# Altium PCB BGA_ACUity.PcbDoc (part 4 of 6)
Units mm, origin at the board's own origin, x right, y up, seen from the top; angles counter-clockwise.
Board outline 100 x 100.02 mm, 4 copper layers (TopSignal, Ground, Power, BottomSignal), stack 1.564 mm thick; 445 components, 325 nets, 2065 pads, 376 vias.
Unrouted connection lines stored in the file: 419.
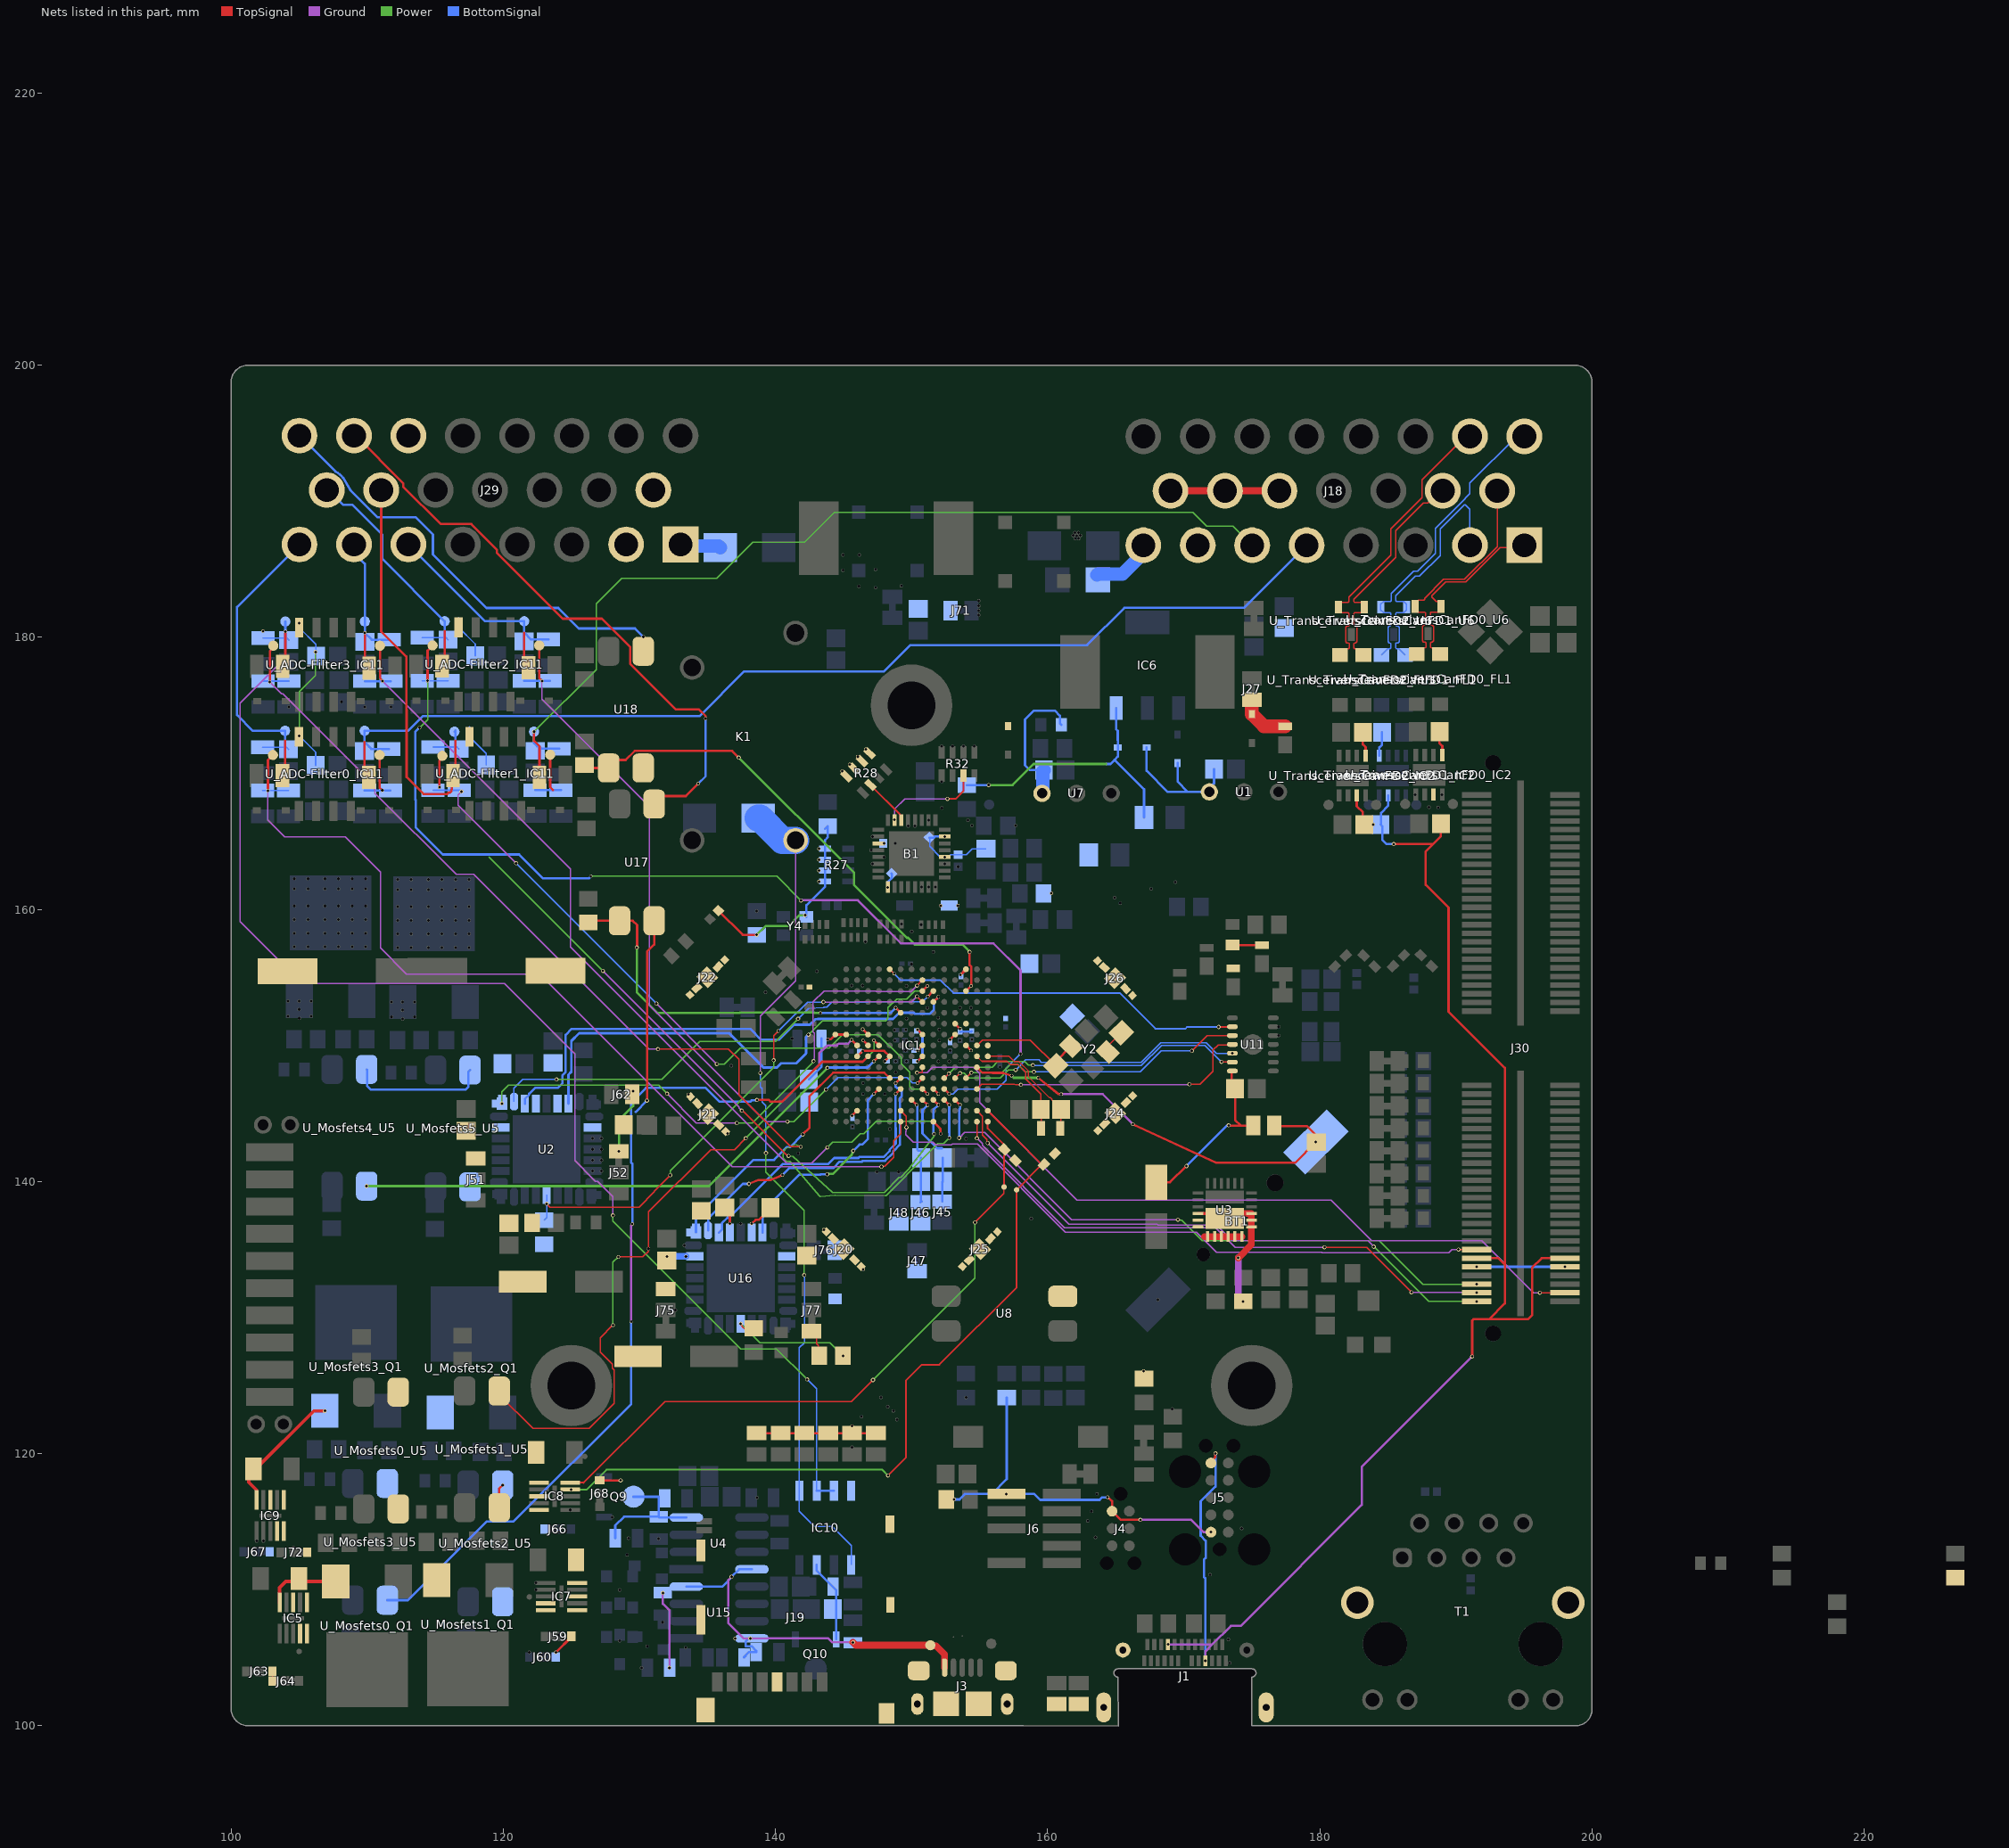
[diagram p6: the nets of this part, all layers, seen from the top]

## Via types
v1: diameter 0.3, hole 0.2, TopSignal to BottomSignal, tented both sides, 223 vias
v2: diameter 0.25/0.25/0.25/0.25 (per signal layer), hole 0.2, TopSignal to BottomSignal, tented both sides, 63 vias
v3: diameter 0.5, hole 0.2, TopSignal to BottomSignal, 32 vias
v4: diameter 0.5, hole 0.3, TopSignal to BottomSignal, 24 vias
v5: diameter 0.3, hole 0.2, TopSignal to BottomSignal, 15 vias
v6: diameter 0.3/0.3/0.3/0.3 (per signal layer), hole 0.2, TopSignal to BottomSignal, tented both sides, 11 vias
v7: diameter 0.6, hole 0.3, TopSignal to BottomSignal, 8 vias

## Nets (pads, with @x,y where several pads share a name; then routed paths per layer and width w, separated by ;. In a path a pad name is that pad's centre, name@x,y a point inside that pad or via, vN(x,y) a via of type N, cw(c..) or ccw(c..) an arc to the next point about the centre after c; other vN are vias at no path point) (continued)
+3V3: B1.4 B1.7 B1.19 B1.25 C8.2 C10.2 C12.2 C15.2 C16.2 C17.2 C18.2 C25.1 C31.2 C39.2 C41.2 C48.1 C49.2 C50.2 C51.2 C52.2 C53.2 C54.2 C55.2 C56.2 C58.2 C59.2 C60.2 C61.2 C62.2 C63.2 D9.1 D13.A D18.1 IC1.A13 IC1.F12 IC1.F13 IC1.G1 IC1.G2 IC1.G9 IC1.G12 IC1.H9 IC1.H13 IC1.J3 IC1.J6 IC1.J9 IC1.P3 IC6.3 J4.1 J5.1 J6.01 J18.7 J19.4 J30.09 J30.10 J37.1 J46.P0 J47.P0 J48.P0 J49.P0 J53.P1 J54.P1 J55.P1 J56.P1 J57.P1 J58.P1 pad.1@143.2,162.05 pad.1@143.2,162.85 pad.1@143.2,163.65 pad.1@143.2,164.45 pad.1@144.905,170.153 pad.1@145.473,170.661 pad.1@145.625,122.025 pad.1@145.632,144.832 pad.1@146.039,171.227 pad.1@146.642,171.781 pad.1@147.975,164.85 pad.1@148.249,161.619 pad.1@150.432,148.832 pad.1@150.432,149.632 pad.1@150.432,151.168 pad.1@152.45,163.85 pad.1@152.45,165.35 pad.1@152.155,160.274 pad.1@152.832,150.432 pad.1@153.405,160.274 pad.1@153.568,151.232 pad.1@154.368,149.632 pad.1@160.275,161.175 pad.1@164.411,116.793 pad.1@167.049,126.071 R1.2 R5.2 R6.2 R25.2 R26.2 R27.1 R27.2 R27.3 R27.4 R28.5 R28.6 R28.7 R28.8 R29.2 R30.2 R48.2 R49.1 U11.14 U_TransceiversCanFD0_C6.2 U_TransceiversCanFD0_IC2.5 U_TransceiversCanFD1_C6.2 U_TransceiversCanFD1_IC2.5 U_TransceiversCanFD2_C6.2 U_TransceiversCanFD2_IC2.5 Y4.4 | length 122.5
  TopSignal w0.171: C17.2@135.811,159.911 137.597,158.125 v1(138.625,158.125) ; J58.P1@138.625,121.5 J57.P1@140.375,121.5 J56.P1@142.125,121.5 J55.P1@143.875,121.5 J54.P1@145.625,121.5 J53.P1@147.375,121.5 ; v2(143.842,150.434) 143.857,150.45 144.05,150.45 IC1.G1@144.4,150.8 IC1.G2@145.2,150.8 ; pad.1@145.632,144.832 IC1.P3@146,145.2 ; IC1.J3@146,149.2 v2(146.4,149.6) 148,149.6 IC1.J6@148.4,149.2 v2(148.032,148.832) ; pad.1@150.432,148.832 IC1.J9@150.8,149.2 ; pad.1@150.432,149.632 IC1.H9@150.8,150 ; pad.1@150.432,151.168 IC1.G9@150.8,150.8 ; pad.1@152.832,150.432 IC1.G12@153.2,150.8 ; IC1.F12@153.2,151.6 pad.1@153.568,151.232 ; IC1.H13@154,150 pad.1@154.368,149.632 ; pad.1@164.411,116.793 164.534,116.696 164.73,116.5 J4.1@164.73,115.77 165.365,115.135 v1(166.816,115.135) ; C48.1@167.996,139.951 168.996,139.951 170.184,141.139 v1(170.199,141.139) v1@170.214,141.139 ; v1(173.304,144.122) 173.323,144.102 174.195,144.102 ; U11.14@173.575,148.125 173.525,148.075 173.525,147.075 C12.2@173.775,146.825 173.775,144.522 174.195,144.102 ; J49.P0@175.102,144.123 175.082,144.102 174.195,144.102 ; U_TransceiversCanFD2_C6.2@183.16,173.008 183.16,172.12 183.36,171.92 U_TransceiversCanFD2_IC2.5@183.36,171.283 ; U_TransceiversCanFD0_C6.2@188.795,173.068 188.795,172.206 188.995,172.006 U_TransceiversCanFD0_IC2.5@188.995,171.343
  TopSignal w0.191: v2(153.6,155.196) 153.6,155.198 154,155.598 IC1.A13@154,155.6
  Ground w0.171: v1(166.816,115.135) 170.541,115.135 171.396,114.28 ccw(c171.517,114.401) 171.517,114.23 v1(172,114.23)
  Power w0.171: v1(138.625,158.125) 139.275,158.775 140.955,158.775 141.75,159.57 v1(142.175,159.57) ; v1(155.666,169.14) 157.421,169.14 158.968,170.688 164.27,170.688
  BottomSignal w0.09: C25.1@151.314,165.284 151.328,165.27 151.328,164.629 152.108,163.85 pad.1@152.45,163.85 152.725,163.85 152.891,164.016 C15.2@153.416,164.016 154.016,164.016 154.45,164.45 C18.2@155.475,164.45
  BottomSignal w0.171: Y4.4@142.275,159.45 142.175,159.55 142.28,159.655 142.28,160.304 143.65,161.675 R27.1@143.65,162.05 R27.2@143.65,162.85 R27.3@143.65,163.65 R27.4@143.65,164.45 143.65,165.1 143.85,165.3 R26.2@143.85,166.125 R26.2@143.65,165.925 ; C39.2@142.456,147.498 143.39,148.432 C41.2@143.39,150.507 ; pad.1@148.249,161.619 148.249,162.014 148.547,162.312 148.547,162.616 C16.2@148.533,162.63 ; pad.1@150.432,148.832 150.803,149.203 150.803,150.797 pad.1@150.432,151.168 ; C25.1@151.328,165.27 151.632,165.27 151.711,165.35 pad.1@152.45,165.35 ; v1(153.116,116.637) 153.525,116.637 153.928,117.04 155.903,117.04 ; C50.2@153.568,150.988 153.6,151.02 154.4,151.02 C60.2@154.432,151.052 ; R30.2@154.05,169.125 154.065,169.14 v1(155.666,169.14) ; R6.2@156.993,124.125 156.993,118.13 155.903,117.04 ; 164.27,170.688 164.612,170.688 164.918,170.994 ; pad.1@164.411,116.793 164.011,116.793 163.822,116.604 159.453,116.604 159.018,117.04 v1(156.965,117.04) 155.903,117.04 ; IC6.3@165.035,174.794 165.035,173.238 165.148,173.125 165.148,172.424 165.163,172.41 D18.1@165.163,171.907 165.163,171.239 164.918,170.994 ; C31.2@167.081,166.751 167.081,168.831 164.918,170.994 ; v1(170.199,141.139) 173.157,144.097 173.279,144.097 v1(173.304,144.122) ; U_TransceiversCanFD1_IC2.5@184.366,171.284 184.366,171.897 184.566,172.097 U_TransceiversCanFD1_C6.2@184.566,173.009 ; v1(191.516,133.731) v1(197.993,133.731)
  BottomSignal w0.191: v2(153.6,155.196) 153.6,155.084 C62.2@153.632,155.052 ; C62.2@153.632,155.228 154,155.596 154,155.6
+3V3_LOGIC: IC5.6 IC7.6 IC8.6 IC9.6 J59.P2 J60.P0 J63.P2 J64.P2 J66.P0 J67.P0 J68.P2 J72.P0 pad.1@123.862,105.395 U8.4 U17.4 U18.4 | length 18.5
  TopSignal w0.09: J63.P2@103.049,104.003 103.053,103.999 J64.P2@103.053,103.293
  TopSignal w0.171: J68.P2@127.088,118.039 127.094,118.032 v1(128.624,118.032) ; v1(130.557,145.949) 130.571,145.963 130.571,156.888 131.089,157.407 U17.4@131.089,159.159
  TopSignal w0.191: pad.1@123.862,105.395 123.866,105.395 125,106.529 J59.P2@125,106.579
  BottomSignal w0.171: 129.722,145.114 v1(130.557,145.949)
+3V3_VBATT: BT1.2 C38.2 IC1.K14 J49.P1 pad.1@157.35,147.775 pad.1@159.304,147.62 pad.1@161,146.425 pad.1@166.265,144.212 pad.1@179.705,142.905 | length 31.6
  TopSignal w0.171: IC1.K14@154.8,148.4 155.2,148 155.934,148 155.947,147.987 156.68,147.987 156.756,147.979 pad.1@157.35,147.775 ; pad.1@159.304,147.62 160.8,146.425 pad.1@161,146.425 ; pad.1@166.265,144.212 172.362,141.377 178.177,141.377 pad.1@179.705,142.905 179.705,143.425 179.054,144.076 176.699,144.076 J49.P1@176.652,144.123
  Ground w0.171: pad.1@161,146.425 164.052,146.425 pad.1@166.265,144.212
  Power w0.171: pad.1@157.35,147.775 157.505,147.62 pad.1@159.304,147.62
+5_LOGIC: C57.2 D25.A J51.P2 J52.P0 J62.P0 J75.P2 J76.P0 J77.P0 R39.2 R57.1 R89.2 U7.3 U_Mosfets0_U5.4 U_Mosfets1_U5.4 U_Mosfets2_U5.4 U_Mosfets3_U5.4 U_Mosfets4_U5.4 U_Mosfets5_U5.4 | length 29.2
  TopSignal w0.09: J77.P0@142.65,129 143.01,128.64 143.01,128.089 143.153,127.947 143.153,127.245 R89.2@143.209,127.189
  TopSignal w0.171: U_Mosfets1_U5.4@119.706,116.027 119.706,117.442 v2(119.96,117.696)
  Power w0.171: v1(128.5,142.224) 128.5,144.496 129.55,145.546 v1(129.55,146.65)
  BottomSignal w0.171: U_Mosfets4_U5.4@109.967,148.241 110.009,148.198 110.009,147.015 110.277,146.748 117.23,146.748 117.445,146.963 117.445,148.067 U_Mosfets5_U5.4@117.562,148.184 ; C57.2@159.728,170.231 158.69,170.231 158.333,170.588 158.333,173.953 158.986,174.606 160.523,174.606 160.904,174.225 160.904,173.664 D25.A@160.999,173.569
  BottomSignal w1: U7.3@159.588,168.529 159.64,168.581 159.64,170.143 C57.2@159.728,170.231
+5V: C29.2 C33.2 D11.A D12.1 D18.2 IC10.8 J1.A4 J1.B4 J3.1 J5.5 J18.13 J18.14 J18.15 J30.11 J30.12 J39.1 pad.1@105.009,181.04 pad.1@137.036,106.419 Q9.2 R70.2 R71.1 R72.1 R74.2 R75.1 R76.1 R77.1 R80.1 TP4.P2 U1.3 U4.4 U4.8 U15.4 U15.8 U_ADC-Filter0_C81.2 U_ADC-Filter0_IC11.8 U_ADC-Filter1_C81.2 U_ADC-Filter1_IC11.8 U_ADC-Filter2_C81.2 U_ADC-Filter2_IC11.8 U_ADC-Filter3_C81.2 U_ADC-Filter3_IC11.8 U_TransceiversCanFD0_C7.2 U_TransceiversCanFD0_IC2.3 U_TransceiversCanFD1_C7.2 U_TransceiversCanFD1_IC2.3 U_TransceiversCanFD2_C7.2 U_TransceiversCanFD2_IC2.3 | length 201.8
  TopSignal w0.171: J5.5@172,119.31 172,119.412 172.306,119.718 172.306,119.99 v1(172.331,120.015) ; D11.A@173.584,157.39 173.612,157.362 J39.1@175.743,157.362 ; U_TransceiversCanFD2_IC2.3@182.71,168.383 182.71,167.578 183.155,167.133 183.155,166.338 U_TransceiversCanFD2_C7.2@183.26,166.233 ; v1(185.428,164.801) 188.314,164.801 ; U_TransceiversCanFD0_C7.2@188.895,166.293 188.895,165.382 188.314,164.801 ; v1(191.189,127.136) 191.189,129.774 191.289,129.874 192.423,129.874 ; J30.11@191.516,134.366 193.109,134.366 193.59,133.886 ; J30.12@197.993,134.366 196.292,134.366 195.594,133.669 195.594,130.178 195.29,129.874 192.423,129.874 ; 188.314,164.801 187.774,164.26 187.774,161.806 189.458,160.122 189.458,152.484 193.59,148.352 193.59,133.886 ; 192.423,129.874 193.59,131.04 193.59,133.886
  TopSignal w0.5: v1(145.694,106.127) 145.903,105.918 TP4.P2@151.384,105.918 151.432,105.87 151.795,105.87 152.427,105.239 J3.1@152.427,104.275 ; J18.15@169.028,190.762 J18.14@173.028,190.762 J18.13@177.028,190.762
  Ground w0.171: v1(131.724,109.759) 131.724,108.959 132.212,108.471 v1(132.212,104.26) ; v1(136.767,110.951) 136.536,110.721 136.536,107.541 137.659,106.419 v1(138.146,106.419) 143.879,106.419 144.171,106.127 v1(145.694,106.127) ; v1(168.838,105.976) 172.088,105.976 ; v1(171.588,104.776) 171.588,105.476 172.088,105.976 ; v1(191.189,127.136) 183.082,119.029 183.082,116.239 174.187,107.343 173.455,107.343 172.088,105.976
  Power w0.113: v1(105.019,172.753) 105.019,176.005 106.205,177.191 v1(106.205,178.921)
  BottomSignal w0.113: pad.1@105.009,181.04 105.009,180.706 106.241,179.474 U_ADC-Filter3_C81.2@106.241,178.921 ; v1(105.019,172.753) 106.217,171.554 U_ADC-Filter0_C81.2@106.217,170.585 ; v1(106.205,178.921) 106.205,178.652 U_ADC-Filter3_C81.2@106.241,178.616 ; 116.713,181.451 116.713,180.726 117.945,179.494 U_ADC-Filter2_C81.2@117.945,178.636 ; 117.514,173.417 117.514,172.692 118.746,171.46 U_ADC-Filter1_C81.2@118.746,170.602
  BottomSignal w0.171: R72.1@128.232,113.785 128.232,114.73 128.874,115.372 R70.2@131.412,115.372 ; Q9.2@129.57,116.833 131.413,116.833 131.412,116.832 R70.2@131.412,115.372 ; U15.4@133.444,110.229 136.078,110.229 136.767,110.918 v1(136.767,110.951) 136.783,110.951 137.331,111.499 U4.8@138.271,111.499 ; U4.4@133.444,115.309 131.475,115.309 R70.2@131.412,115.372 ; R75.1@137.823,105.147 R75.1@137.698,105.022 137.698,105.063 138.038,105.403 R74.2@138.588,105.403 138.588,105.507 138.249,105.847 137.823,105.847 137.823,106.21 138.032,106.419 v1(138.146,106.419) U15.8@138.271,106.419 ; D18.2@167.273,171.907 167.273,170.193 168.835,168.631 170.309,168.631 ; D12.1@169.545,170.751 169.545,169.394 170.309,168.631 ; v1(171.588,104.776) 171.588,110.722 171.575,110.736 171.575,110.849 171.485,110.938 171.485,112.197 171.618,112.329 171.618,113.592 171.243,113.967 171.243,116.498 172.331,117.586 v1(172.331,120.015) ; C29.2@172.225,170.307 172.225,169.271 171.882,168.928 U1.3@171.882,168.631 170.309,168.631 ; U_TransceiversCanFD1_IC2.3@185.016,168.384 185.016,167.611 184.495,167.09 184.495,166.263 U_TransceiversCanFD1_C7.2@184.466,166.234 184.589,166.111 184.589,165.115 184.903,164.801 v1(185.428,164.801)
  other v1: 183.91,166.233
+24V: C27.2 D19.1 J27.P0 J38.1 | length 3.9
  TopSignal w1: J27.P0@175,175.416 D19.1@175,174.342 175.886,173.457 J38.1@177.444,173.457
+24V_EASED_PWR: C28.2 J71.P0 R56.1 U3.1 U3.2 U3.3 U3.16 U3.25 | length 11.2
  TopSignal w0.25: U3.16@171.057,137.654 U3.25@172.636,137.654
  TopSignal w0.5: U3.25@172.636,137.654 U3.25@173.011,137.279 173.386,137.654 U3.3@174.964,137.654 U3.2@174.964,137.154 U3.1@174.964,136.654 174.964,135.344 v1(174.005,134.385)
  Ground w0.5: v1(174.005,134.385) 174.005,131.536 v1(174.359,131.182)
+24VBAT_LOGIC: F1.1 J18.8 | length 4.7
  BottomSignal w1: F1.1@163.62,184.582 163.684,184.646 165.495,184.646 166.717,185.869 166.717,186.451 J18.8@167.028,186.762
+24VBAT_PWR: D21.1 J29.1 J29.2 | length 3
  BottomSignal w1: J29.1@133.031,186.818 133.146,186.703 135.835,186.703 D21.1@135.95,186.588
+24VFUSED_PWR: C9.2 C70.2 C71.2 C72.2 C73.2 C74.1 C82.2 C83.2 C84.2 C85.2 C86.2 C87.1 C89.1 C90.1 D20.1 IC5.8 IC7.8 IC8.8 IC9.8 J29.9 pad.1@132.025,134.5 pad.1@133.425,134.5 pad.1@136.65,136.9 pad.1@138.25,136.9 U2.4 U2.6 U2.11 U2.31 U3.17 U3.18 U3.19 U3.20 U3.21 U3.22 U3.23 U3.24 U16.4 U16.6 U16.11 U16.31 | length 7.4
  TopSignal w0.171: C83.2@136.275,138.1 136.65,137.725 pad.1@136.65,136.9 ; pad.1@138.25,136.9 138.538,137.188 138.788,137.188 139.625,138.025 C85.2@139.625,138.075
  TopSignal w0.5: 171.541,135.95 U3.19@171.761,135.95 U3.20@172.261,135.95 U3.21@172.761,135.95 U3.22@173.261,135.95 U3.23@173.761,135.95 U3.24@174.261,135.95
  BottomSignal w0.5: pad.1@132.025,134.5 pad.1@133.425,134.5
_RXD2_7: B1.15 R32.7 | length 7.5
  TopSignal w0.131: v1(152.636,168.119) 153.244,168.119 153.816,168.691 R32.7@153.816,169.838
  Ground w0.113: v1(148.75,166.6) 148.762,166.611 148.762,167.373 149.508,168.119 v1(152.636,168.119)
_RXD3_7: B1.14 R28.2 | length 3.5
  TopSignal w0.131: R28.2@146.993,169.141 149.165,166.969 149.165,166.634 B1.14@149.25,166.55
ACT_CMOSIG0: IC1.H4 U_Mosfets0_U5.1 | length 0.5
  TopSignal w0.171: v2(146.431,150.368) IC1.H4@146.8,150
ACT_CMOSIG1: IC1.H5 pad.1@130.673,135.062 U_Mosfets1_U5.1 | length 50.3
  TopSignal w0.09: U_Mosfets1_U5.1@119.706,124.607 119.706,124.327 122.179,121.853 126.303,121.853 128.147,123.697 128.147,126.146 128.003,126.289 128.003,126.585 127.132,127.456 127.132,128.509 v2(128.066,129.444) ; v2(128.465,134.46) 130.258,134.46 130.673,134.874 pad.1@130.673,135.062 ; pad.1@130.673,135.062 130.673,137.773 135.244,142.344 136.987,142.344 v1(137.815,143.172)
  TopSignal w0.171: v2(147.232,150.368) IC1.H5@147.6,150
  Power w0.09: v2(128.066,129.444) 128.066,134.062 v2(128.465,134.46) ; v1(137.815,143.172) 143.443,148.8 146.4,148.8 147.232,149.632 v2(147.232,150.368)
ACT_CMOSIG2: IC1.H3 U_Mosfets2_U5.1 | length 4.8
  TopSignal w0.171: v2(145.6,150.4) IC1.H3@146,150
  Ground w0.171: 142.751,148.127 143.23,148.606 143.23,149.445 143.585,149.801 ; 143.586,149.801 143.794,149.963 143.841,149.999 144.52,149.999 144.65,150.129 145.33,150.129 v2(145.6,150.4)
ACT_CMOSIG3: IC1.J4 U_Mosfets3_U5.1 | length 65.9
  TopSignal w0.171: v1(138.639,145.992) 139.519,145.992 139.645,145.866 140.49,145.866 143.423,148.8 146.416,148.8 IC1.J4@146.8,149.2
  Ground w0.171: v2(129.4,129.692) 129.4,136.762 129.489,136.851 v2(129.489,136.886)
  BottomSignal w0.171: U_Mosfets3_U5.1@111.488,109.231 112.997,109.231 118.77,115.004 120.746,115.004 129.4,123.659 v2(129.4,129.692) ; v2(129.489,136.886) 129.489,141.307 129.39,141.405 129.39,145.79 130.483,146.883 134.877,146.883 135.894,145.866 138.148,145.866 138.248,145.967 138.614,145.967 v1(138.639,145.992)
ACT_CMOSIG4: IC1.J5 U_Mosfets4_U5.1 | length 41.6
  TopSignal w0.171: v2(147.232,148.832) IC1.J5@147.6,149.2
  Power w0.171: v1(109.967,139.661) 135.125,139.661 v1(143.819,148.355)
  BottomSignal w0.171: v1(143.819,148.355) 143.839,148.375 146.775,148.375 v2(147.232,148.832)
ACT_CMOSIG5: IC1.G4 U_Mosfets5_U5.1 | length 0.5
  TopSignal w0.171: v2(146.414,151.19) 146.414,151.188 146.8,150.802 IC1.G4@146.8,150.8
ADC_A0: J18.5 U_ADC-Filter0_C80.2 U_ADC-Filter0_R81.2 U_ADC-Filter0_R86.2 U_ADC-Filter0_TP29.P2 | length 80.4
  TopSignal w0.171: 109.811,172.289 109.811,170.016 U_ADC-Filter0_R81.2@110.131,169.696
  BottomSignal w0.171: U_ADC-Filter0_R86.2@111.589,171.789 110.311,171.789 110.136,171.964 109.811,172.289 U_ADC-Filter0_TP29.P2@109.811,173.125 113.011,173.125 114.091,174.205 134.433,174.205 137.711,177.484 147.977,177.484 149.919,179.426 162.903,179.426 165.633,182.156 174.422,182.156 J18.5@179.028,186.762
ADC_A1: J18.6 U_ADC-Filter1_C80.2 U_ADC-Filter1_R81.2 U_ADC-Filter1_R86.2 U_ADC-Filter1_TP29.P2 | length 69.8
  TopSignal w0.171: v1(122.257,173.059) 122.257,172.39 122.66,171.986 U_ADC-Filter1_R81.2@122.66,169.713
  Power w0.09: v1(122.257,173.059) 126.827,177.628 126.827,182.449 128.696,184.318 135.682,184.318 138.352,186.989 142.133,186.989 144.336,189.192 170.661,189.192 171.687,188.166 173.624,188.166 J18.6@175.028,186.762
  BottomSignal w0.171: v1(122.257,173.059) 122.257,172.221 122.497,171.981 122.665,171.981 122.84,171.806 U_ADC-Filter1_R86.2@124.118,171.806 ; U_ADC-Filter1_TP29.P2@122.34,173.059 U_ADC-Filter1_TP29.P2@122.34,173.142
ADC_A2: J29.6 U_ADC-Filter2_C80.2 U_ADC-Filter2_R81.2 U_ADC-Filter2_R86.2 U_ADC-Filter2_TP29.P2 | length 16.4
  TopSignal w0.171: 121.539,180.34 121.539,178.067 U_ADC-Filter2_R81.2@121.859,177.747
  BottomSignal w0.171: J29.6@113.031,186.818 118.673,181.176 U_ADC-Filter2_TP29.P2@121.539,181.176 121.539,180.34 122.039,179.84 U_ADC-Filter2_R86.2@123.317,179.84
ADC_A3: J29.7 pad.1@109.835,180.32 U_ADC-Filter3_C80.2 U_ADC-Filter3_R81.2 U_ADC-Filter3_R86.2 U_ADC-Filter3_TP29.P2 | length 11.5
  TopSignal w0.171: pad.1@109.835,180.32 109.835,178.047 U_ADC-Filter3_R81.2@110.155,177.727
  BottomSignal w0.171: J29.7@109.031,186.818 109.031,186.208 109.835,185.404 U_ADC-Filter3_TP29.P2@109.835,181.156 pad.1@109.835,180.32 110.335,179.82 U_ADC-Filter3_R86.2@111.613,179.82
ADC_B0: J29.8 U_ADC-Filter0_C79.2 U_ADC-Filter0_R82.1 U_ADC-Filter0_R87.1 U_ADC-Filter0_TP30.P2 | length 23.8
  TopSignal w0.171: U_ADC-Filter0_R82.1@103.776,169.823 103.969,170.016 103.969,172.396
  BottomSignal w0.113: U_ADC-Filter0_R87.1@102.318,171.916 104.073,171.916 U_ADC-Filter0_C79.2@104.223,171.766
  BottomSignal w0.171: U_ADC-Filter0_C79.2@103.969,172.396 U_ADC-Filter0_TP30.P2@103.969,173.125 101.6,173.125 100.44,174.285 100.44,182.227 J29.8@105.031,186.818
ADC_B1: J29.14 U_ADC-Filter1_C79.2 U_ADC-Filter1_R82.1 U_ADC-Filter1_R87.1 U_ADC-Filter1_TP30.P2 | length 32.4
  TopSignal w0.171: J29.14@111.031,190.818 111.031,180.43 112.883,178.578 112.883,174.699 112.903,174.679 112.903,169.728 114.145,168.486 115.89,168.486 115.99,168.586 116.105,168.586 116.205,168.686 116.205,168.808 116.231,168.834 116.231,169.766 U_ADC-Filter1_R82.1@116.305,169.84 116.498,170.033 116.498,172.413
  BottomSignal w0.113: U_ADC-Filter1_R87.1@114.847,171.933 116.602,171.933 U_ADC-Filter1_C79.2@116.752,171.783
  BottomSignal w0.171: U_ADC-Filter1_TP30.P2@116.415,173.059 116.498,173.142 U_ADC-Filter1_C79.2@116.498,172.413
ADC_B2: J29.15 U_ADC-Filter2_C79.2 U_ADC-Filter2_R82.1 U_ADC-Filter2_R87.1 U_ADC-Filter2_TP30.P2 | length 19.1